# Altium PCB ALCT_MEZ_LX150T.PcbDoc (part 2 of 8) (continued)
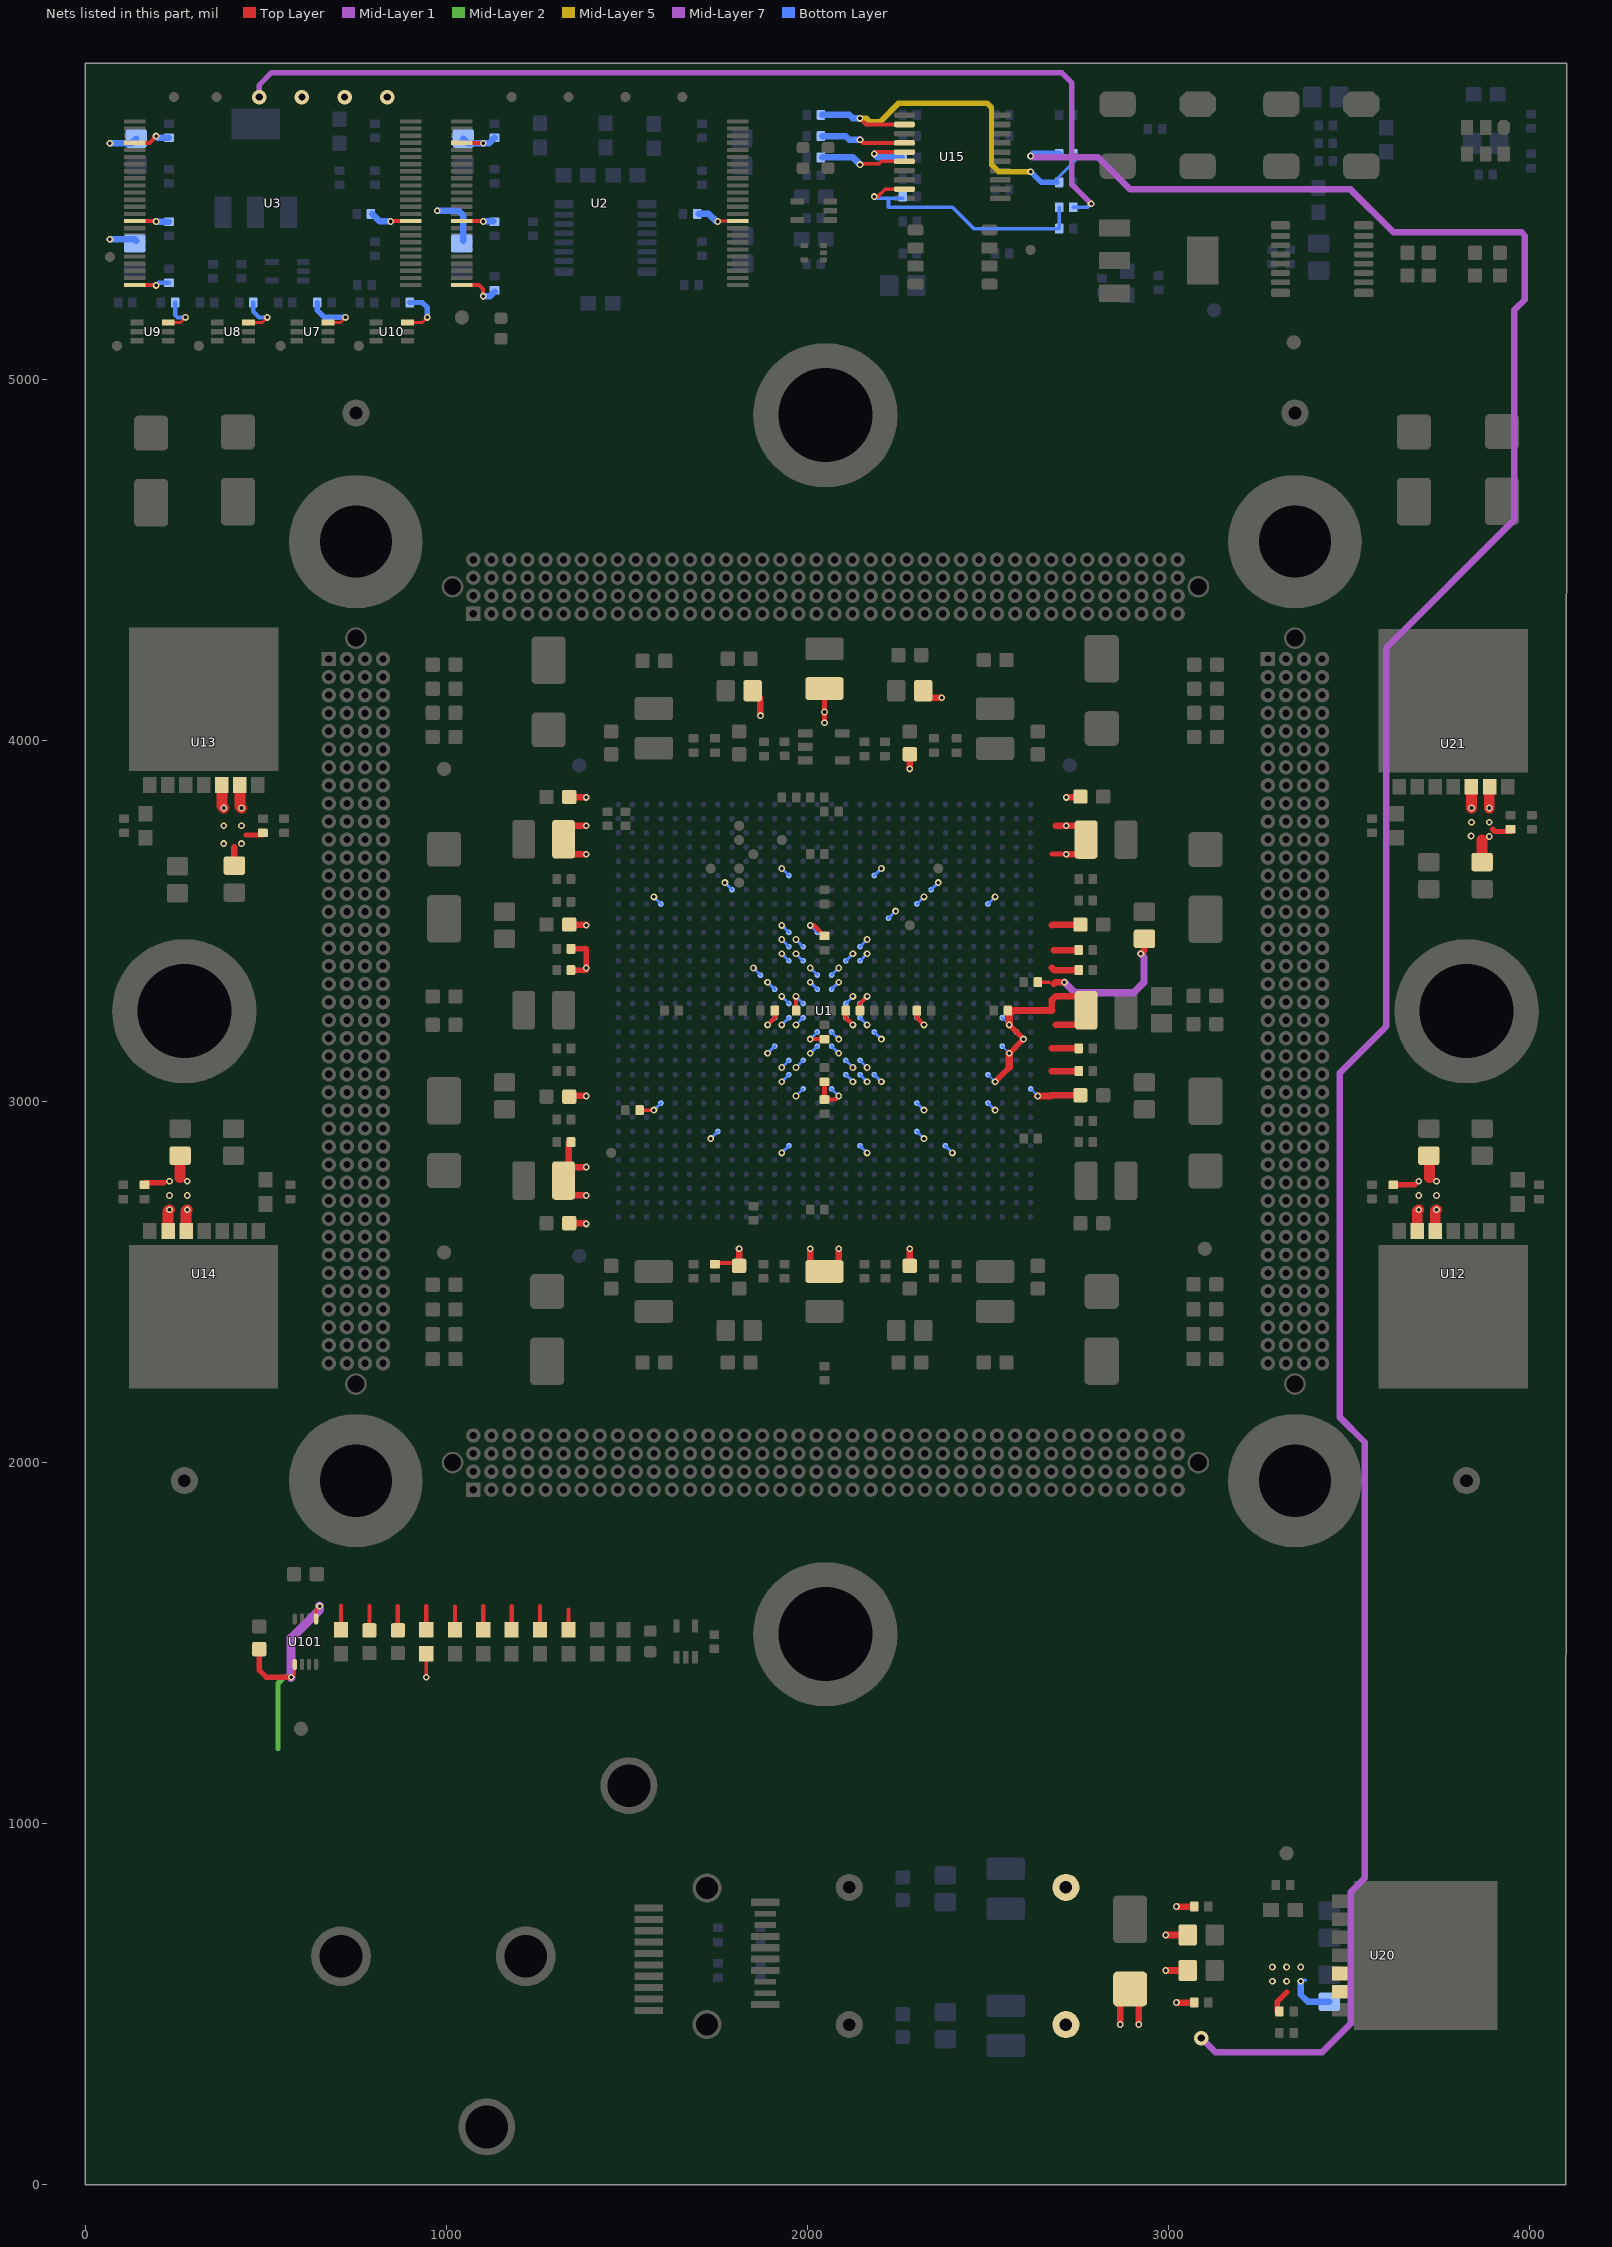
[diagram p12: the nets of this part, all layers, seen from the top]
## Part data (continued)
D40 D41: "LED RED CLEAR 0603 SMD", Color=Red, Current - Test=5mA, Lens Color=Colorless, Manufacturer="Lite-On Inc.", Millicandela Rating=26.05mcd, Package / Case="0603 (1608 Metric)", Supplier Device Package="Chip LED", Supplier Part Number 1=160-1830-1-ND, Voltage - Forward (Vf) (Typ)=2V, Category=Optoelectronics, ComponentLink1Description=http://optoelectronics.liteon.com/upload/download/DS22-2005-077/LTST-C193KRKT-5A.PDF, ComponentLink1URL=http://optoelectronics.liteon.com/upload/download/DS22-2005-077/LTST-C193KRKT-5A.PDF, Features=-, Height (Max)=0.45mm, Lens Style/Size="Rectangle with Flat Top, 1.15mm x 0.80mm", Lens Transparency=Clear, Manufacturer Part Number=LTST-C193KRKT-5A, Mounting Type="Surface Mount", Packaging="Cut Tape (CT)", Part Status=Active, Pricing 1="1=0.41, 10=0.296, 25=0.2268, 100=0.148, 250=0.10852, 500=0.0921, 1000=0.07565, 2500=0.06578 (USD)", Pricing 2="1=0.41, 10=0.296, 25=0.2268, 100=0.148, 250=0.10852, 500=0.0921, 1000=0.07565, 2500=0.06578 (USD)", RoHS="RoHS Compliant", Size / Dimension="1.60mm L x 0.80mm W", Stock 1=97257, Stock 2=97257, Supplier 1=Digi-Key, Supplier 2=Digi-Key, Supplier Part Number 2=160-1830-6-ND, Viewing Angle=130°, Wavelength - Dominant=631nm, Wavelength - Peak=639nm
H1 H2 H3 H4: library part MezScrew, COMPGROUP=0, COMPROT=0, COMPSIDE=TOP, mfgr=McMaster, mfgr_foot="6-32 ButtonSkt", mfgr_id=92949A146
J1: "CONN FP+ CAGE 30AU SMD", Manufacturer="TE Connectivity AMP Connectors", Manufacturer Part Number=1888247-1, Supplier Part Number 1=A97943CT-ND, Category="Connectors, Interconnects", ComponentLink1Description=http://www.te.com/commerce/DocumentDelivery/DDEController?Action=srchrtrv&DocNm=1888247&DocType=Customer+Drawing&DocLang=English, ComponentLink1URL=http://www.te.com/commerce/DocumentDelivery/DDEController?Action=srchrtrv&DocNm=1888247&DocType=Customer+Drawing&DocLang=English, Connector Style=Receptacle, Connector Type=SFP+, Contact Finish=Gold, Contact Finish Thickness="30µin (0.76µm)", Features="Board Guide", Mounting Type="Surface Mount, Right Angle", Number of Positions=20, Packaging="Cut Tape (CT)", Part Status=Active, Pricing 1="1=2.44, 10=2.21, 50=1.9844, 100=1.8942 (USD)", Pricing 2="1=2.44, 10=2.21, 50=1.9844, 100=1.8942 (USD)", RoHS="RoHS Compliant", Stock 1=23324, Stock 2=23324, Supplier 1=Digi-Key, Supplier 2=Digi-Key, Supplier Part Number 2=A97943DKR-ND, Termination=Solder
L3 L4: library part 1537-12K, "IND, Air Core, 1uH, 880mA, TH", Current - Saturation=-, Current Rating=880mA, DC Resistance (DCR)="290 mOhm Max", Frequency - Self Resonant=200MHz, Inductance=1µH, Manufacturer="API Delevan Inc.", Operating Temperature="-55°C ~ 125°C", Package / Case=Axial, Q @ Freq="50 @ 25MHz", Supplier Part Number 1=1134-1088-1-ND, Tolerance=±10%, Category="Inductors, Coils, Chokes", ComponentLink1Description=http://www.delevan.com/seriesPDFs/1537.pdf, ComponentLink1URL=http://www.delevan.com/seriesPDFs/1537.pdf, Height - Seated (Max)=-, Manufacturer Part Number=1537-12K, Material - Core=Phenolic, mfgr_id=1537-12K, Mounting Type="Through Hole", Notification="QPL or Military Specs are for reference only. Parts are not for military use. C of C not provided. See Terms and Conditions.", Packaging="Cut Tape (CT)", Part Status=Active, Pricing 1="1=1.07, 10=0.997, 25=0.9208, 50=0.7672, 100=0.7212, 250=0.64444, 500=0.55238 (USD)", Pricing 2="1000=0.44, 3000=0.42625, 5000=0.4125, 10000=0.39875, 25000=0.385 (USD)", Ratings=-, RoHS="RoHS non-compliant", Shielding=Unshielded, Size / Dimension="0.156\" Dia x 0.375\" L (3.96mm x 9.53mm)", Stock 1=1779, Stock 2=1000, Supplier 1=Digi-Key, Supplier 2=Digi-Key, Supplier Device Package=Axial, Supplier Part Number 2=1134-1088-2-ND, Type=-
M1: "Heatsink 17 x 17 x 9.5mm"
PCBM1: "Versatile Twin Transmitter Module", Manufacturer=CERN, Manufacturer Part Number=VTTX-V2.1, Part Number="PCBM_CERN_VTTX V2.1_a", Author="CERN DEM JLC", Bonding=No, ComponentHeight=16.5mm, Component Type=Standard, CreateDate=13/01/2014, Device=VTTX-V2.1, HelpURL="\\cern.ch\dfs\Applications\Altium\Datasheets\PCBM_CERN_VTTX V2.1.pdf", LatestRevisionDate=13/01/2014, Mounted=Yes, PackageDescription="Versatile Twin Transmitter Module", Part Description="Versatile Twin Transmitter Module", Pin Count=0, PressFit=No, Sense=No, SMD=No, Socket=No
R1 R15: library part ERA-2AEB122X, "RES SMD 1.2K OHM 0.1% 1/16W 0402", Manufacturer="Panasonic Electronic Components", Operating Temperature="-55°C ~ 155°C", Package=0402, Package / Case="0402 (1005 Metric)", Power (Watts)="0.063W, 1/16W", Supplier Part Number 1=P1.2KDCCT-ND, Temperature Coefficient=±25ppm/°C, Tolerance=±0.1%, Category=Resistors, ComponentLink1Description=https://industrial.panasonic.com/cdbs/www-data/pdf/RDM0000/AOA0000C307.pdf, ComponentLink1URL=https://industrial.panasonic.com/cdbs/www-data/pdf/RDM0000/AOA0000C307.pdf, Composition="Thin Film", Failure Rate=-, Features="Automotive AEC-Q200", Height - Seated (Max)="0.016\" (0.40mm)", Manufacturer Part Number=ERA-2AEB122X, Packaging="Cut Tape (CT)", Part Status=Active, Pricing 1="1=0.45, 10=0.321, 100=0.1283, 1000=0.06322, 2500=0.05858, 5000=0.053 (USD)", Pricing 2="1=0.45, 10=0.321, 100=0.1283, 1000=0.06322, 2500=0.05858, 5000=0.053 (USD)", RoHS="RoHS Compliant", Size / Dimension="0.039\" L x 0.020\" W (1.00mm x 0.50mm)", Stock 1=25790, Stock 2=25790, Supplier 1=Digi-Key, Supplier 2=Digi-Key, Supplier Device Package=0402, Supplier Part Number 2=P1.2KDCDKR-ND
R2 R5 R8 R11 R16 R40 R55 R81 R82 R83 R101 R103 R104 R105 R106 R108: library part CR0603-FX-4701ELF, "RES SMD 4.7K OHM 1% 1/10W 0603", Manufacturer="Bourns Inc.", Operating Temperature="-55°C ~ 155°C", Package / Case="0603 (1608 Metric)", Power (Watts)="0.1W, 1/10W", Supplier Device Package=0603, Supplier Part Number 1=CR0603-FX-4701ELFCT-ND, Temperature Coefficient=±100ppm/°C, Tolerance=±1%, Category=Resistors, ComponentLink1Description=http://www.bourns.com/docs/Product-Datasheets/CHPREZTR.pdf, ComponentLink1URL=http://www.bourns.com/docs/Product-Datasheets/CHPREZTR.pdf, Composition="Thick Film", Failure Rate=-, Features="Moisture Resistant", Height - Seated (Max)="0.022\" (0.55mm)", Manufacturer Part Number=CR0603-FX-4701ELF, Packaging="Cut Tape (CT)", Part Status=Active, Pricing 1="1=0.1, 10=0.021, 100=0.0086, 1000=0.00385, 2500=0.00334 (USD)", Pricing 2="1=0.1, 10=0.021, 100=0.0086, 1000=0.00385, 2500=0.00334 (USD)", Resistance (Ohms)=4.7k, RoHS="RoHS Compliant", Size / Dimension="0.063\" L x 0.031\" W (1.60mm x 0.80mm)", Stock 1=43560, Stock 2=43560, Supplier 1=Digi-Key, Supplier 2=Digi-Key, Supplier Part Number 2=CR0603-FX-4701ELFDKR-ND
R3 R17: library part ERA-2AEB301X, "RES SMD 300 OHM 0.1% 1/16W 0402", Manufacturer="Panasonic Electronic Components", Operating Temperature="-55°C ~ 155°C", Package=0402, Package / Case="0402 (1005 Metric)", Power (Watts)="0.063W, 1/16W", Supplier Part Number 1=P300DCCT-ND, Temperature Coefficient=±25ppm/°C, Tolerance=±0.1%, Category=Resistors, ComponentLink1Description=https://industrial.panasonic.com/cdbs/www-data/pdf/RDM0000/AOA0000C307.pdf, ComponentLink1URL=https://industrial.panasonic.com/cdbs/www-data/pdf/RDM0000/AOA0000C307.pdf, Composition="Thin Film", Failure Rate=-, Features="Automotive AEC-Q200", Height - Seated (Max)="0.016\" (0.40mm)", Manufacturer Part Number=ERA-2AEB301X, Packaging="Cut Tape (CT)", Part Status=Active, Pricing 1="1=0.45, 10=0.321, 100=0.1283, 1000=0.06322, 2500=0.05858, 5000=0.053 (USD)", Pricing 2="1=0.45, 10=0.321, 100=0.1283, 1000=0.06322, 2500=0.05858, 5000=0.053 (USD)", RoHS="RoHS Compliant", Size / Dimension="0.039\" L x 0.020\" W (1.00mm x 0.50mm)", Stock 1=31760, Stock 2=31760, Supplier 1=Digi-Key, Supplier 2=Digi-Key, Supplier Device Package=0402, Supplier Part Number 2=P300DCDKR-ND
R4 R21 R23 R27 R28: library part ERA-2AEB512X, "RES SMD 5.1K OHM 0.1% 1/16W 0402", Manufacturer="Panasonic Electronic Components", Operating Temperature="-55°C ~ 155°C", Package / Case="0402 (1005 Metric)", Power (Watts)="0.063W, 1/16W", Supplier Device Package=0402, Supplier Part Number 1=P5.1KDCCT-ND, Temperature Coefficient=±25ppm/°C, Tolerance=±0.1%, Category=Resistors, ComponentLink1Description=https://industrial.panasonic.com/cdbs/www-data/pdf/RDA0000/AOA0000C237.pdf, ComponentLink1URL=https://industrial.panasonic.com/cdbs/www-data/pdf/RDA0000/AOA0000C237.pdf, Composition="Thin Film", Failure Rate=-, Features="Automotive AEC-Q200", Height - Seated (Max)="0.016\" (0.40mm)", Manufacturer Part Number=ERA-2AEB512X, Number of Terminations=2, Packaging="Cut Tape (CT)", Part Status=Active, Pricing 1="1=0.61, 50=0.238, 100=0.1913, 250=0.14876, 500=0.1122, 1000=0.0867, 5000=0.0646 (USD)", Pricing 2="1=0.61, 50=0.238, 100=0.1913, 250=0.14876, 500=0.1122, 1000=0.0867, 5000=0.0646 (USD)", Resistance (Ohms)=5.1k, RoHS="RoHS Compliant", Size / Dimension="0.039\" L x 0.020\" W (1.00mm x 0.50mm)", Stock 1=26098, Stock 2=26098, Supplier 1=Digi-Key, Supplier 2=Digi-Key, Supplier Part Number 2=P5.1KDCDKR-ND
R6: library part ERA-2AEB1961X, "RES SMD 1.96K OHM 0.1% 1/16W 0402", Manufacturer="Panasonic Electronic Components", Operating Temperature="-55°C ~ 155°C", Package=0402, Package / Case="0402 (1005 Metric)", Power (Watts)="0.063W, 1/16W", Supplier Part Number 1=P1.96KDCCT-ND, Temperature Coefficient=±25ppm/°C, Tolerance=±0.1%, Category=Resistors, ComponentLink1Description=https://industrial.panasonic.com/cdbs/www-data/pdf/RDM0000/AOA0000C307.pdf, ComponentLink1URL=https://industrial.panasonic.com/cdbs/www-data/pdf/RDM0000/AOA0000C307.pdf, Composition="Thin Film", Failure Rate=-, Features="Automotive AEC-Q200", Height - Seated (Max)="0.016\" (0.40mm)", Manufacturer Part Number=ERA-2AEB1961X, Packaging="Cut Tape (CT)", Part Status=Active, Pricing 1="1=0.45, 10=0.321, 100=0.1283, 1000=0.06322, 2500=0.05858, 5000=0.053 (USD)", Pricing 2="1=0.45, 10=0.321, 100=0.1283, 1000=0.06322, 2500=0.05858, 5000=0.053 (USD)", RoHS="RoHS Compliant", Size / Dimension="0.039\" L x 0.020\" W (1.00mm x 0.50mm)", Stock 1=36796, Stock 2=36796, Supplier 1=Digi-Key, Supplier 2=Digi-Key, Supplier Device Package=0402, Supplier Part Number 2=P1.96KDCDKR-ND
R7: library part ERA-2AEB182X, "RES SMD 1.8k OHM 0.1% 1/16W 0402", Manufacturer="Panasonic Electronic Components", Operating Temperature="-55°C ~ 155°C", Package=0402, Package / Case="0402 (1005 Metric)", Power (Watts)="0.063W, 1/16W", Supplier Part Number 1=P1.8KDCCT-ND, Temperature Coefficient=±25ppm/°C, Tolerance=±0.1%, Category=Resistors, ComponentLink1Description=https://industrial.panasonic.com/cdbs/www-data/pdf/RDM0000/AOA0000C307.pdf, ComponentLink1URL=https://industrial.panasonic.com/cdbs/www-data/pdf/RDM0000/AOA0000C307.pdf, Composition="Thin Film", Failure Rate=-, Features="Automotive AEC-Q200", Height - Seated (Max)="0.016\" (0.40mm)", Manufacturer Part Number=ERA-2AEB182X, Packaging="Cut Tape (CT)", Part Status=Active, Pricing 1="1=0.45, 10=0.321, 100=0.1283, 1000=0.06322, 2500=0.05858, 5000=0.053 (USD)", Pricing 2="1=0.45, 10=0.321, 100=0.1283, 1000=0.06322, 2500=0.05858, 5000=0.053 (USD)", RoHS="RoHS Compliant", Size / Dimension="0.039\" L x 0.020\" W (1.00mm x 0.50mm)", Stock 1=43633, Stock 2=43633, Supplier 1=Digi-Key, Supplier 2=Digi-Key, Supplier Device Package=0402, Supplier Part Number 2=P1.8KDCDKR-ND
R9 R12: library part ERA-2AEB132X, "RES SMD 1.3k OHM 0.1% 1/16W 0402", Manufacturer="Panasonic Electronic Components", Operating Temperature="-55°C ~ 155°C", Package / Case="0402 (1005 Metric)", Power (Watts)="0.063W, 1/16W", Supplier Device Package=0402, Supplier Part Number 1=P1.3KDCCT-ND, Temperature Coefficient=±25ppm/°C, Tolerance=±0.1%, Category=Resistors, ComponentLink1Description=https://industrial.panasonic.com/cdbs/www-data/pdf/RDM0000/AOA0000C307.pdf, ComponentLink1URL=https://industrial.panasonic.com/cdbs/www-data/pdf/RDM0000/AOA0000C307.pdf, Composition="Thin Film", Failure Rate=-, Features="Automotive AEC-Q200", Height - Seated (Max)="0.016\" (0.40mm)", Manufacturer Part Number=ERA-2AEB132X, Packaging="Cut Tape (CT)", Part Status=Active, Pricing 1="1=0.45, 10=0.321, 100=0.1283, 1000=0.06322, 2500=0.05858, 5000=0.053 (USD)", Pricing 2="1=0.45, 10=0.321, 100=0.1283, 1000=0.06322, 2500=0.05858, 5000=0.053 (USD)", RoHS="RoHS Compliant", Size / Dimension="0.039\" L x 0.020\" W (1.00mm x 0.50mm)", Stock 1=249, Stock 2=249, Supplier 1=Digi-Key, Supplier 2=Digi-Key, Supplier Part Number 2=P1.3KDCDKR-ND
R10: library part ERA-2AEB182X, "RES SMD 1.8k OHM 0.1% 1/16W 0402", Manufacturer="Panasonic Electronic Components", Operating Temperature="-55°C ~ 155°C", Package / Case="0402 (1005 Metric)", Power (Watts)="0.063W, 1/16W", Supplier Device Package=0402, Supplier Part Number 1=P1.8KDCCT-ND, Temperature Coefficient=±25ppm/°C, Tolerance=±0.1%, Category=Resistors, ComponentLink1Description=https://industrial.panasonic.com/cdbs/www-data/pdf/RDA0000/AOA0000C237.pdf, ComponentLink1URL=https://industrial.panasonic.com/cdbs/www-data/pdf/RDA0000/AOA0000C237.pdf, Composition="Thin Film", Failure Rate=-, Features="Automotive AEC-Q200", Height - Seated (Max)="0.016\" (0.40mm)", Manufacturer Part Number=ERA-2AEB182X, Number of Terminations=2, Packaging="Cut Tape (CT)", Part Status=Active, Pricing 1="1=0.6, 50=0.2484, 100=0.2052, 250=0.162, 500=0.13824, 1000=0.10368, 5000=0.07776 (USD)", Pricing 2="1=0.6, 50=0.2484, 100=0.2052, 250=0.162, 500=0.13824, 1000=0.10368, 5000=0.07776 (USD)", Resistance (Ohms)=1.8k, RoHS="RoHS Compliant", Size / Dimension="0.039\" L x 0.020\" W (1.00mm x 0.50mm)", Stock 1=39375, Stock 2=39375, Supplier 1=Digi-Key, Supplier 2=Digi-Key, Supplier Part Number 2=P1.8KDCDKR-ND
R13 R14 R56 R57: library part ERJ-2RKF1100X, "RES SMD 110 OHM 1% 1/10W 0402", Manufacturer="Panasonic Electronic Components", Operating Temperature="-55°C ~ 155°C", Package / Case="0402 (1005 Metric)", Power (Watts)="0.1W, 1/10W", Supplier Device Package=0402, Supplier Part Number 1=P110LCT-ND, Temperature Coefficient=±100ppm/°C, Tolerance=±1%, Category=Resistors, ComponentLink1Description=https://industrial.panasonic.com/cdbs/www-data/pdf/RDA0000/AOA0000C304.pdf, ComponentLink1URL=https://industrial.panasonic.com/cdbs/www-data/pdf/RDA0000/AOA0000C304.pdf, Composition="Thick Film", Failure Rate=-, Features="Automotive AEC-Q200", Height - Seated (Max)="0.016\" (0.40mm)", Manufacturer Part Number=ERJ-2RKF1100X, Packaging="Cut Tape (CT)", Part Status=Active, Pricing 1="1=0.1, 10=0.039, 100=0.016, 1000=0.00719, 2500=0.00624, 5000=0.00515 (USD)", Pricing 2="1=0.1, 10=0.039, 100=0.016, 1000=0.00719, 2500=0.00624, 5000=0.00515 (USD)", RoHS="RoHS Compliant", Size / Dimension="0.039\" L x 0.020\" W (1.00mm x 0.50mm)", Stock 1=171366, Stock 2=171366, Supplier 1=Digi-Key, Supplier 2=Digi-Key, Supplier Part Number 2=P110LDKR-ND
R20 R22 R26: library part ERA-2AEB512X, "RES SMD 5.1K OHM 0.1% 1/16W 0402", Manufacturer="Panasonic Electronic Components", Operating Temperature="-55°C ~ 155°C", Package / Case="0402 (1005 Metric)", Power (Watts)="0.063W, 1/16W", Resistance (Ohms)=5.1k, Supplier Device Package=0402, Supplier Part Number 1=P5.1KDCCT-ND, Temperature Coefficient=±25ppm/°C, Tolerance=±0.1%, Category=Resistors, ComponentLink1Description=https://industrial.panasonic.com/cdbs/www-data/pdf/RDA0000/AOA0000C237.pdf, ComponentLink1URL=https://industrial.panasonic.com/cdbs/www-data/pdf/RDA0000/AOA0000C237.pdf, Composition="Thin Film", Failure Rate=-, Features="Automotive AEC-Q200", Height - Seated (Max)="0.016\" (0.40mm)", Manufacturer Part Number=ERA-2AEB512X, Number of Terminations=2, Packaging="Cut Tape (CT)", Part Status=Active, Pricing 1="1=0.61, 50=0.238, 100=0.1913, 250=0.14876, 500=0.1122, 1000=0.0867, 5000=0.0646 (USD)", Pricing 2="1=0.61, 50=0.238, 100=0.1913, 250=0.14876, 500=0.1122, 1000=0.0867, 5000=0.0646 (USD)", RoHS="RoHS Compliant", Size / Dimension="0.039\" L x 0.020\" W (1.00mm x 0.50mm)", Stock 1=26098, Stock 2=26098, Supplier 1=Digi-Key, Supplier 2=Digi-Key, Supplier Part Number 2=P5.1KDCDKR-ND
R24 R25: library part ERJ-2RKF7680X, "RES SMD 768 OHM 5.0% 1/10W 0402", Manufacturer="Panasonic Electronic Components", Operating Temperature="-55°C ~ 155°C", Package / Case="0402 (1005 Metric)", Power (Watts)="0.1W, 1/10W", Supplier Device Package=0402, Supplier Part Number 1=P768LCT-ND, Temperature Coefficient=±100ppm/°C, Tolerance=±1%, Category=Resistors, ComponentLink1Description=https://industrial.panasonic.com/cdbs/www-data/pdf/RDA0000/AOA0000C304.pdf, ComponentLink1URL=https://industrial.panasonic.com/cdbs/www-data/pdf/RDA0000/AOA0000C304.pdf, Composition="Thick Film", Failure Rate=-, Features="Automotive AEC-Q200", Height - Seated (Max)="0.016\" (0.40mm)", Manufacturer Part Number=ERJ-2RKF7680X, Packaging="Cut Tape (CT)", Part Status=Active, Pricing 1="1=0.1, 10=0.039, 100=0.016, 1000=0.00719, 2500=0.00624, 5000=0.00515 (USD)", Pricing 2="1=0.1, 10=0.039, 100=0.016, 1000=0.00719, 2500=0.00624, 5000=0.00515 (USD)", RoHS="RoHS Compliant", Size / Dimension="0.039\" L x 0.020\" W (1.00mm x 0.50mm)", Stock 1=54378, Stock 2=54378, Supplier 1=Digi-Key, Supplier 2=Digi-Key, Supplier Part Number 2=P768LDKR-ND
R41 R48 R49 R54: library part ERJ-2GEJ106X, "RES SMD 10M OHM 5% 1/10W 0402", Manufacturer="Panasonic Electronic Components", Operating Temperature="-55°C ~ 155°C", Package / Case="0402 (1005 Metric)", Power (Watts)="0.1W, 1/10W", Supplier Device Package=0402, Supplier Part Number 1=P10MJCT-ND, Temperature Coefficient="-400/ +150ppm/°C", Tolerance=±5%, Category=Resistors, ComponentLink1Description=http://industrial.panasonic.com/www-cgi/jvcr13pz.cgi?E+PZ+3+AOA0001+ERJ2GEJ106X+7+WW, ComponentLink1URL=http://industrial.panasonic.com/www-cgi/jvcr13pz.cgi?E+PZ+3+AOA0001+ERJ2GEJ106X+7+WW, Composition="Thick Film", Failure Rate=-, Features="Automotive AEC-Q200", Height - Seated (Max)="0.016\" (0.40mm)", Manufacturer Part Number=ERJ-2GEJ106X, Number of Terminations=2, Packaging="Cut Tape (CT)", Part Status=Active, Pricing 1="1=0.1, 50=0.0106, 100=0.0078, 250=0.00596, 500=0.00476, 1000=0.0035, 5000=0.00251 (USD)", Pricing 2="1=0.1, 50=0.0106, 100=0.0078, 250=0.00596, 500=0.00476, 1000=0.0035, 5000=0.00251 (USD)", Resistance (Ohms)=10M, RoHS="RoHS Compliant", Size / Dimension="0.039\" L x 0.020\" W (1.00mm x 0.50mm)", Stock 1=53777, Stock 2=53777, Supplier 1=Digi-Key, Supplier 2=Digi-Key, Supplier Part Number 2=P10MJDKR-ND
R42 R107: library part CR0603-FX-3300ELF, "RES SMD 330 OHM 1% 1/10W 0603", Manufacturer="Bourns Inc.", Operating Temperature="-55°C ~ 155°C", Package / Case="0603 (1608 Metric)", Power (Watts)="0.1W, 1/10W", Resistance (Ohms)=330, Supplier Device Package=0603, Supplier Part Number 1=CR0603-FX-3300ELFCT-ND, Temperature Coefficient=±100ppm/°C, Tolerance=±1%, Category=Resistors, ComponentLink1Description=http://www.bourns.com/docs/Product-Datasheets/CHPREZTR.pdf, ComponentLink1URL=http://www.bourns.com/docs/Product-Datasheets/CHPREZTR.pdf, Composition="Thick Film", Failure Rate=-, Features="Moisture Resistant", Height - Seated (Max)="0.022\" (0.55mm)", Manufacturer Part Number=CR0603-FX-3300ELF, Packaging="Cut Tape (CT)", Part Status=Active, Pricing 1="1=0.1, 10=0.023, 100=0.0092, 1000=0.00414, 2500=0.00359 (USD)", Pricing 2="1=0.1, 10=0.023, 100=0.0092, 1000=0.00414, 2500=0.00359 (USD)", RoHS="RoHS Compliant", Size / Dimension="0.063\" L x 0.031\" W (1.60mm x 0.80mm)", Stock 1=45245, Stock 2=45245, Supplier 1=Digi-Key, Supplier 2=Digi-Key, Supplier Part Number 2=CR0603-FX-3300ELFDKR-ND
R43 R44: library part CR0603-FX-4701ELF, "RES SMD 4.7K OHM 1% 1/10W 0603", Manufacturer="Bourns Inc.", Operating Temperature="-55°C ~ 155°C", Package / Case="0603 (1608 Metric)", Power (Watts)="0.1W, 1/10W", Resistance (Ohms)=4.7k, Supplier Device Package=0603, Supplier Part Number 1=CR0603-FX-4701ELFCT-ND, Temperature Coefficient=±100ppm/°C, Tolerance=±1%, Category=Resistors, ComponentLink1Description=http://www.bourns.com/docs/Product-Datasheets/CHPREZTR.pdf, ComponentLink1URL=http://www.bourns.com/docs/Product-Datasheets/CHPREZTR.pdf, Composition="Thick Film", Failure Rate=-, Features="Moisture Resistant", Height - Seated (Max)="0.022\" (0.55mm)", Manufacturer Part Number=CR0603-FX-4701ELF, Packaging="Cut Tape (CT)", Part Status=Active, Pricing 1="1=0.1, 10=0.021, 100=0.0086, 1000=0.00385, 2500=0.00334 (USD)", Pricing 2="1=0.1, 10=0.021, 100=0.0086, 1000=0.00385, 2500=0.00334 (USD)", RoHS="RoHS Compliant", Size / Dimension="0.063\" L x 0.031\" W (1.60mm x 0.80mm)", Stock 1=43560, Stock 2=43560, Supplier 1=Digi-Key, Supplier 2=Digi-Key, Supplier Part Number 2=CR0603-FX-4701ELFDKR-ND
R45 R58 R59: library part CR0603-FX-5100ELF, "RES SMD 510 OHM 1% 1/10W 0603", Manufacturer="Bourns Inc.", Operating Temperature="-55°C ~ 155°C", Package / Case="0603 (1608 Metric)", Power (Watts)="0.1W, 1/10W", Supplier Device Package=0603, Supplier Part Number 1=CR0603-FX-5100ELFDKR-ND, Temperature Coefficient=±100ppm/°C, Tolerance=±1%, Category=Resistors, ComponentLink1Description=https://www.bourns.com/docs/Product-Datasheets/CHPREZTR.pdf, ComponentLink1URL=https://www.bourns.com/docs/Product-Datasheets/CHPREZTR.pdf, Composition="Thick Film", Failure Rate=-, Features="Moisture Resistant", Height - Seated (Max)="0.022\" (0.55mm)", Manufacturer Part Number=CR0603-FX-5100ELF, Packaging=Digi-Reel®, Part Status=Active, Pricing 1="1=0.1, 10=0.021, 100=0.0086, 1000=0.00385, 2500=0.00334 (USD)", RoHS="RoHS Compliant", Size / Dimension="0.063\" L x 0.032\" W (1.60mm x 0.80mm)", Stock 1=523, Supplier 1=Digi-Key
R46: library part ERJ-3EKF28R0V, "RES SMD 28 OHM 1% 1/10W 0603", Manufacturer="Panasonic Electronic Components", Operating Temperature="-55°C ~ 155°C", Package / Case="0603 (1608 Metric)", Power (Watts)="0.1W, 1/10W", Resistance (Ohms)=28, Supplier Device Package=0603, Supplier Part Number 1=P28.0HCT-ND, Temperature Coefficient=±100ppm/°C, Tolerance=±1%, Category=Resistors, ComponentLink1Description=http://industrial.panasonic.com/www-cgi/jvcr13pz.cgi?E+PZ+3+AOA0002+ERJ3EKF28R0V+7+WW, ComponentLink1URL=http://industrial.panasonic.com/www-cgi/jvcr13pz.cgi?E+PZ+3+AOA0002+ERJ3EKF28R0V+7+WW, Composition="Thick Film", Failure Rate=-, Features="Automotive AEC-Q200", Height - Seated (Max)="0.022\" (0.55mm)", Manufacturer Part Number=ERJ-3EKF28R0V, Number of Terminations=2, Packaging="Cut Tape (CT)", Part Status=Active, Pricing 1="1=0.1, 10=0.019, 25=0.0136, 50=0.0104, 100=0.0077, 250=0.00584, 500=0.00468, 1000=0.00345 (USD)", Pricing 2="1=0.1, 10=0.019, 25=0.0136, 50=0.0104, 100=0.0077, 250=0.00584, 500=0.00468, 1000=0.00345 (USD)", RoHS="RoHS Compliant", Size / Dimension="0.063\" L x 0.031\" W (1.60mm x 0.80mm)", Stock 1=22288, Stock 2=22288, Supplier 1=Digi-Key, Supplier 2=Digi-Key, Supplier Part Number 2=P28.0HDKR-ND
R47: library part "RES999G 0603", "RES SMD 999G OHM 5% 1/10W 0603", Manufacturer Part Number="Do Not Place", Supplier Device Package=0603
R50 R51 R52 R53: library part ERJ-2GE0R00X, "RES SMD 0.0OHM JUMPER 1/10W 0402", Manufacturer="Panasonic Electronic Components", Operating Temperature="-55°C ~ 155°C", Package / Case="0402 (1005 Metric)", Power (Watts)="0.1W, 1/10W", Resistance (Ohms)=0.0, Supplier Device Package=0402, Supplier Part Number 1=P0.0JCT-ND, Temperature Coefficient=-, Tolerance=Jumper, Category=Resistors, ComponentLink1Description=http://industrial.panasonic.com/www-cgi/jvcr13pz.cgi?E+PZ+3+AOA0001+ERJ2GE0R00X+7+WW, ComponentLink1URL=http://industrial.panasonic.com/www-cgi/jvcr13pz.cgi?E+PZ+3+AOA0001+ERJ2GE0R00X+7+WW, Composition="Thick Film", Failure Rate=-, Features="Automotive AEC-Q200", Height - Seated (Max)="0.016\" (0.40mm)", Manufacturer Part Number=ERJ-2GE0R00X, Number of Terminations=2, Packaging="Cut Tape (CT)", Part Status=Active, Pricing 1="1=0.1, 50=0.0138, 100=0.0105, 250=0.0078, 500=0.00576, 1000=0.00384, 5000=0.0027 (USD)", Pricing 2="1=0.1, 50=0.0138, 100=0.0105, 250=0.0078, 500=0.00576, 1000=0.00384, 5000=0.0027 (USD)", RoHS="RoHS Compliant", Size / Dimension="0.039\" L x 0.020\" W (1.00mm x 0.50mm)", Stock 1=3132025, Stock 2=3132025, Supplier 1=Digi-Key, Supplier 2=Digi-Key, Supplier Part Number 2=P0.0JDKR-ND
R80: library part ERA-6AEB49R9V, "RES SMD 49.9 OHM 0.1% 1/8W 0805", Manufacturer="Panasonic Electronic Components", Operating Temperature="-55°C ~ 155°C", Package / Case="0805 (2012 Metric)", Power (Watts)="0.125W, 1/8W", Resistance (Ohms)=49.9, Supplier Device Package=0805, Supplier Part Number 1=P49.9DACT-ND, Temperature Coefficient=±25ppm/°C, Tolerance=±0.1%, Category=Resistors, ComponentLink1Description=https://industrial.panasonic.com/cdbs/www-data/pdf/RDA0000/AOA0000C237.pdf, ComponentLink1URL=https://industrial.panasonic.com/cdbs/www-data/pdf/RDA0000/AOA0000C237.pdf, Composition="Thin Film", Failure Rate=-, Features="Automotive AEC-Q200", Height - Seated (Max)="0.024\" (0.60mm)", Manufacturer Part Number=ERA-6AEB49R9V, Number of Terminations=2, Packaging="Cut Tape (CT)", Part Status=Active, Pricing 1="1=0.53, 50=0.21, 100=0.162, 250=0.126, 500=0.0888, 1000=0.0648 (USD)", Pricing 2="1=0.53, 50=0.21, 100=0.162, 250=0.126, 500=0.0888, 1000=0.0648 (USD)", RoHS="RoHS Compliant", Size / Dimension="0.079\" L x 0.049\" W (2.00mm x 1.25mm)", Stock 1=51151, Stock 2=51151, Supplier 1=Digi-Key, Supplier 2=Digi-Key, Supplier Part Number 2=P49.9DADKR-ND
R100 R102: library part ERJ-3EKF1870V, "RES SMD 187 OHM 1% 1/10W 0603", Manufacturer="Panasonic Electronic Components", Operating Temperature="-55°C ~ 155°C", Package / Case="0603 (1608 Metric)", Power (Watts)="0.1W, 1/10W", Resistance (Ohms)=187, Supplier Device Package=0603, Supplier Part Number 1=P187HCT-ND, Temperature Coefficient=±100ppm/°C, Tolerance=±1%, Category=Resistors, ComponentLink1Description=http://industrial.panasonic.com/www-cgi/jvcr13pz.cgi?E+PZ+3+AOA0002+ERJ3EKF1870V+7+WW, ComponentLink1URL=http://industrial.panasonic.com/www-cgi/jvcr13pz.cgi?E+PZ+3+AOA0002+ERJ3EKF1870V+7+WW, Composition="Thick Film", Failure Rate=-, Features="Automotive AEC-Q200", Height - Seated (Max)="0.022\" (0.55mm)", Manufacturer Part Number=ERJ-3EKF1870V, Number of Terminations=2, Packaging="Cut Tape (CT)", Part Status=Active, Pricing 1="1=0.1, 10=0.019, 25=0.0136, 50=0.0104, 100=0.0077, 250=0.00584, 500=0.00468, 1000=0.00345 (USD)", Pricing 2="1=0.1, 10=0.019, 25=0.0136, 50=0.0104, 100=0.0077, 250=0.00584, 500=0.00468, 1000=0.00345 (USD)", RoHS="RoHS Compliant", Size / Dimension="0.063\" L x 0.031\" W (1.60mm x 0.80mm)", Stock 1=136341, Stock 2=136341, Supplier 1=Digi-Key, Supplier 2=Digi-Key, Supplier Part Number 2=P187HDKR-ND
SP1: library part SPlate_MC_S6
T1: library part "NET TIE VIA"
TPG1 TPG2 TPG3 TPG4: library part TPGND, Package=90, COMPGROUP=0, COMPROT=0, COMPSIDE=TOP, mfgr=Mill-Max, mfgr_foot=Turret, mfgr_id=2341, silk=What
U1: "Spartan-6 LXT 1.2V FPGA, 540 User I/Os, 900-Ball Chip-Scale BGA (1.0mm Pitch), Speed Grade 3, Commercial Grade, Pb-Free", Manufacturer="Xilinx Inc.", Operating Temperature="0°C ~ 85°C (TJ)", Package / Case=900-BBGA, Supplier Device Package="900-FBGA (31x31)", Supplier Part Number 1=XC6SLX150T-3FGG900C-ND, Voltage - Supply="1.14 V ~ 1.26 V", Category="Integrated Circuits (ICs)", Code_IPC=BGA100P30X30-900, Code_JEDEC=MS-034-AAN-1, ComponentLink1Description="Manufacturer URL", ComponentLink1URL=http://www.xilinx.com/, ComponentLink2Description="Spartan-6 Datasheet", ComponentLink2URL=http://www.xilinx.com/support/documentation/data_sheets/ds160.pdf, ComponentLink3Description="Spartan-6 Documents", ComponentLink3URL=http://www.xilinx.com/support/documentation/spartan-6.htm, ComponentLink4Description=http://www.xilinx.com/support/documentation/data_sheets/ds162.pdf, ComponentLink4URL=http://www.xilinx.com/support/documentation/data_sheets/ds162.pdf, DatasheetVersion="ver1.6, Nov-2010", Manufacturer Part Number=XC6SLX150T-3FGG900C, Mounting Type="Surface Mount", Number of I/O=540, PackageDescription="900-Ball Fine-Pitch Ball Grid Array (FGG900) - Pb-Free", PackageReference=FGG900, PackageVersion="ver1.4, Nov-2009", Part Status=Active, Pricing 1="27=287.3 (USD)", RoHS="RoHS Compliant", Stock 1=0, Supplier 1=Digi-Key
U2: "IC PROM SRL/PAR 1.8V 32M 48TSOP", Manufacturer="Xilinx Inc.", Operating Temperature="-40°C ~ 85°C", Package / Case="48-TFSOP (0.724\", 18.40mm Width)", Supplier Device Package=48-TSOP, Supplier Part Number 1=122-1458-ND, Voltage - Supply="1.65 V ~ 2 V", Category="Integrated Circuits (ICs)", COMPGROUP=0, ComponentLink1Description=http://www.xilinx.com/support/documentation/data_sheets/ds123.pdf, ComponentLink1URL=http://www.xilinx.com/support/documentation/data_sheets/ds123.pdf, COMPROT=270, COMPSIDE=TOP, Manufacturer Part Number=XCF32PVOG48C, Memory Size=32Mb, mfgr=Xilinx, mfgr_foot=VOG48, mfgr_id=XCF32PVOG48C, Packaging=Tube, Part Status=Active, Pricing 1="1=27.23 (USD)", Programmable Type="In System Programmable", RoHS="RoHS Compliant", Stock 1=1063, Supplier 1=Digi-Key
U3: "IC PROM SRL/PAR 1.8V 08M 48TSOP", Manufacturer="Xilinx Inc.", Operating Temperature="-40°C ~ 85°C", Package / Case="48-TFSOP (0.724\", 18.40mm Width)", Supplier Device Package=48-TSOP, Supplier Part Number 1=122-1454-ND, Voltage - Supply="1.65 V ~ 2 V", Category="Integrated Circuits (ICs)", ComponentLink1Description=http://www.xilinx.com/support/documentation/data_sheets/ds123.pdf, ComponentLink1URL=http://www.xilinx.com/support/documentation/data_sheets/ds123.pdf, Manufacturer Part Number=XCF08PVOG48C, Memory Size=8Mb, Packaging=Tube, Part Status=Active, Pricing 1="1=12.53 (USD)", Programmable Type="In System Programmable", RoHS="RoHS Compliant", Stock 1=978, Supplier 1=Digi-Key
U4: library part 74LVC161PW, "IC SYNC 4BIT BIN COUNTER 16TSSOP", Manufacturer="NXP USA Inc.", Operating Temperature="-40°C ~ 125°C", Package / Case="16-TSSOP (0.173\", 4.40mm Width)", Supplier Device Package=16-TSSOP, Supplier Part Number 1=568-7667-1-ND, Voltage - Supply="1.2 V ~ 3.6 V", Category="Integrated Circuits (ICs)", ComponentLink1Description=http://www.nxp.com/documents/data_sheet/74LVC161.pdf, ComponentLink1URL=http://www.nxp.com/documents/data_sheet/74LVC161.pdf, ComponentLink2Description=http://assets.nexperia.com/documents/data-sheet/74LVC161.pdf, ComponentLink2URL=http://assets.nexperia.com/documents/data-sheet/74LVC161.pdf, Count Rate=150MHz, Direction=Up, Logic Type="Binary Counter", Manufacturer Part Number=74LVC161PW,118, Mounting Type="Surface Mount", Number of Bits per Element=4, Number of Elements=1, Packaging="Cut Tape (CT)", Part Status=Active, Pricing 1="1=0.64, 10=0.561, 100=0.429, 500=0.3399, 1000=0.27225 (USD)", Pricing 2="1=0.64, 10=0.561, 100=0.429, 500=0.3399, 1000=0.27225 (USD)", Pricing 3="1=0.64, 10=0.561, 100=0.43, 500=0.3399, 1000=0.27192 (USD)", Pricing 4="1=0.64, 10=0.561, 100=0.43, 500=0.3399, 1000=0.27192 (USD)", Reset=Asynchronous, RoHS="RoHS Compliant", Stock 1=3261, Stock 2=3261, Stock 3=1164, Stock 4=1164, Supplier 1=Digi-Key, Supplier 2=Digi-Key, Supplier 3=Digi-Key, Supplier 4=Digi-Key, Supplier Part Number 2=568-7667-6-ND, Supplier Part Number 3=1727-5981-1-ND, Supplier Part Number 4=1727-5981-6-ND, Timing=Synchronous, Trigger Type="Positive Edge"
U5: "IC POR 2.88V 10% SOT223", Manufacturer="Maxim Integrated", Manufacturer Part Number=DS1233AZ-10+T&R, Operating Temperature="-40°C ~ 85°C (TA)", Package / Case="TO-261-4, TO-261AA", Supplier Device Package=SOT-223-3, Supplier Part Number 1=DS1233AZ-10+CT-ND, Voltage - Threshold=2.88V, Category="Integrated Circuits (ICs)", ComponentLink1Description=http://datasheets.maximintegrated.com/en/ds/DS1233A.pdf, ComponentLink1URL=http://datasheets.maximintegrated.com/en/ds/DS1233A.pdf, Mounting Type="Surface Mount", Output="Open Drain or Open Collector", Packaging="Cut Tape (CT)", Part Status=Active, Pricing 1="1=2.14, 10=2.015, 25=1.6116, 50=1.531, 100=1.4102, 250=1.33764, 500=1.28928 (USD)", Pricing 2="1=2.55, 10=2.423, 25=1.7, 50=1.615, 100=1.26, 250=1.197 (USD)", Pricing 3="1=2.14, 10=2.015, 25=1.6116, 50=1.531, 100=1.4102, 250=1.33764, 500=1.28928 (USD)", Reset="Active Low", Reset Timeout="250 ms Minimum", RoHS="RoHS Compliant", Stock 1=3429, Stock 2=2849, Stock 3=3429, Supplier 1=Digi-Key, Supplier 2=Digi-Key, Supplier 3=Digi-Key, Supplier Part Number 2=DS1233AZ-10+-ND, Supplier Part Number 3=DS1233AZ-10+DKR-ND, Type="Simple Reset/Power-On Reset"
U6 U100: "IC BUFF/DVR NON-INVERT Open Drain SC70-5", Current - Output High, Low="-, 32mA", Manufacturer="Texas Instruments", Manufacturer Part Number=SN74LVC1G07MDCKREP, Operating Temperature="-55°C ~ 125°C (TA)", Package=99, Package / Case="5-TSSOP, SC-70-5, SOT-353", Supplier Device Package=SC-70-5, Supplier Part Number 1=296-22343-1-ND, Voltage - Supply="1.65 V ~ 5.5 V", Category="Integrated Circuits (ICs)", COMPGROUP=0, ComponentLink1Description=http://www.ti.com/lit/ds/symlink/sn74lvc1g07-ep.pdf, ComponentLink1URL=http://www.ti.com/lit/ds/symlink/sn74lvc1g07-ep.pdf, COMPROT=270, COMPSIDE=TOP, Input Type=-, Logic Type="Buffer, Non-Inverting", mfgr="Texas Inst", mfgr_foot=DCK, mfgr_id=SN74LVC1G07MDCKREP, Mounting Type="Surface Mount", Number of Bits per Element=1, Output Type="Open Drain", Packaging="Cut Tape (CT)", Part Status=Active, Pricing 1="1=0.81, 10=0.714, 100=0.5472, 500=0.4326, 1000=0.34608 (USD)", Pricing 2="1=0.81, 10=0.714, 100=0.5472, 500=0.4326, 1000=0.34608 (USD)", RoHS="RoHS Compliant", Stock 1=4252, Stock 2=4252, Supplier 1=Digi-Key, Supplier 2=Digi-Key, Supplier Part Number 2=296-22343-6-ND